# Altium PCB JLC.PcbDoc
Units mil, origin at the board's own origin, x right, y up, seen from the top; angles counter-clockwise.
Board outline 3252.76 x 4711.02 mil, 2 copper layers (Top Layer, Bottom Layer); 38 components, 24 nets, 158 pads, 0 vias.
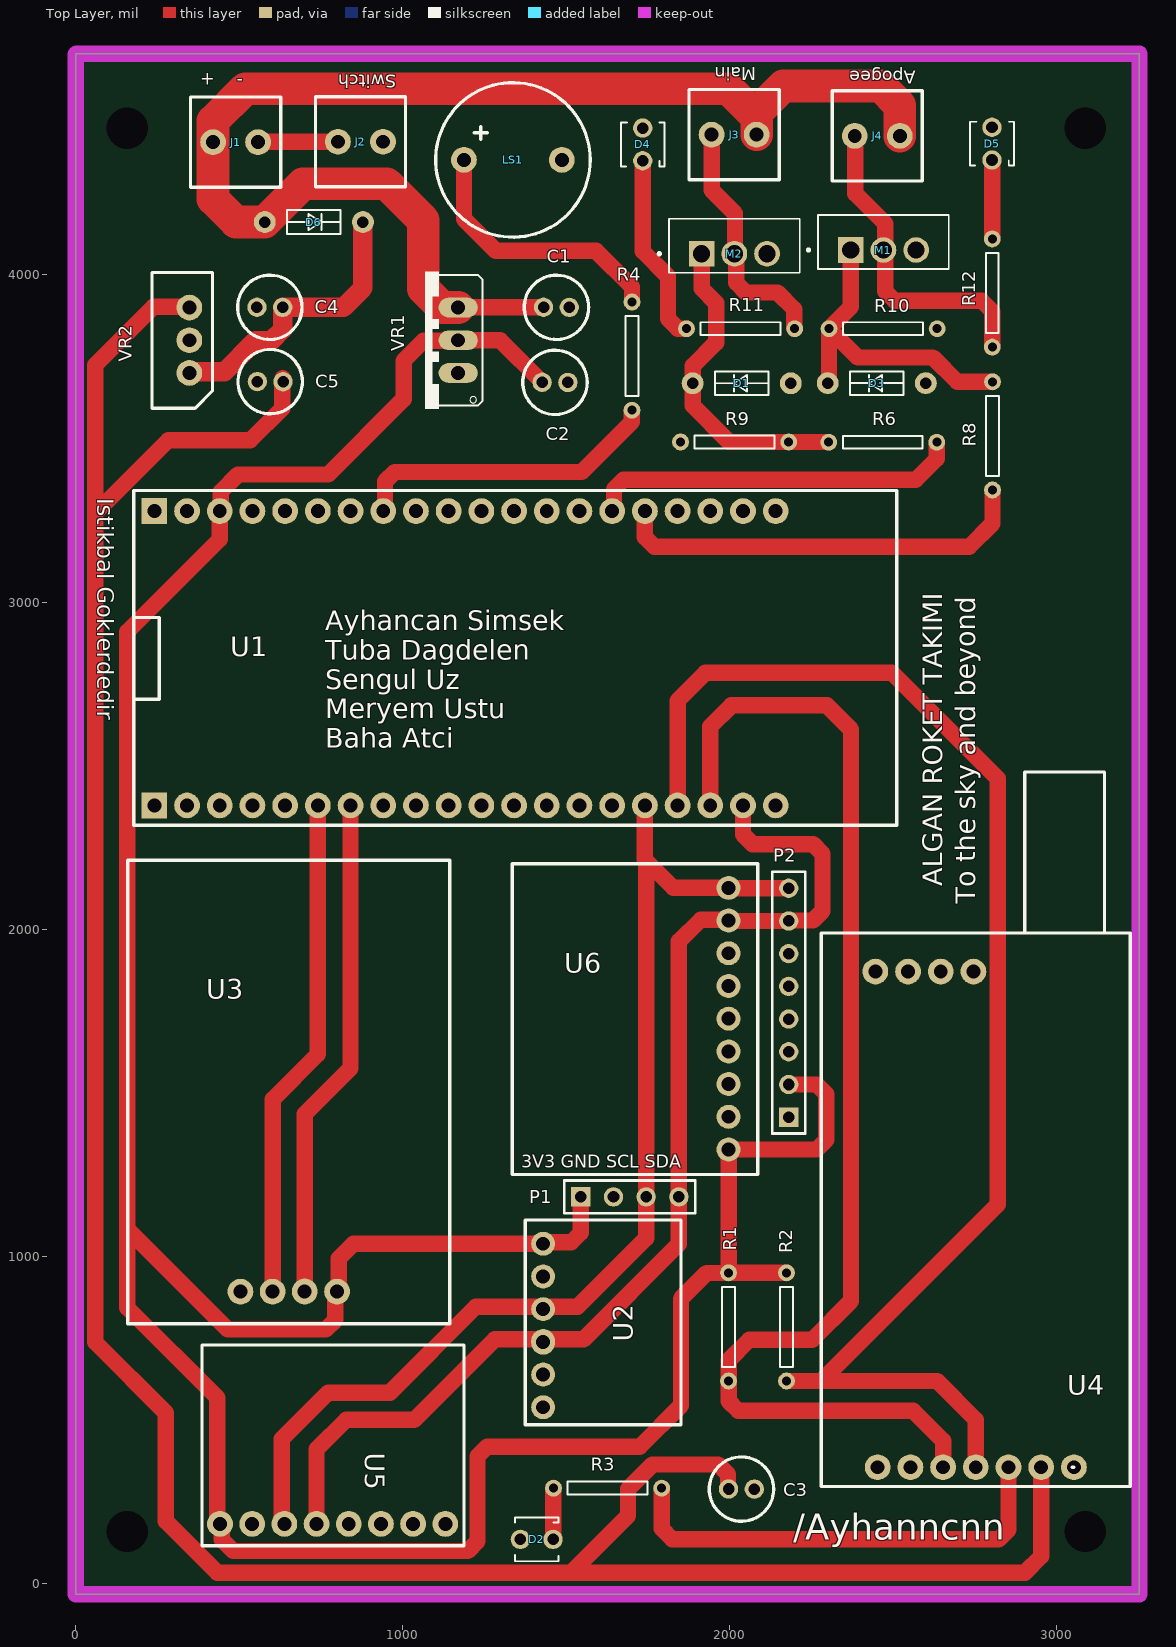
[diagram p0: Top Layer view]
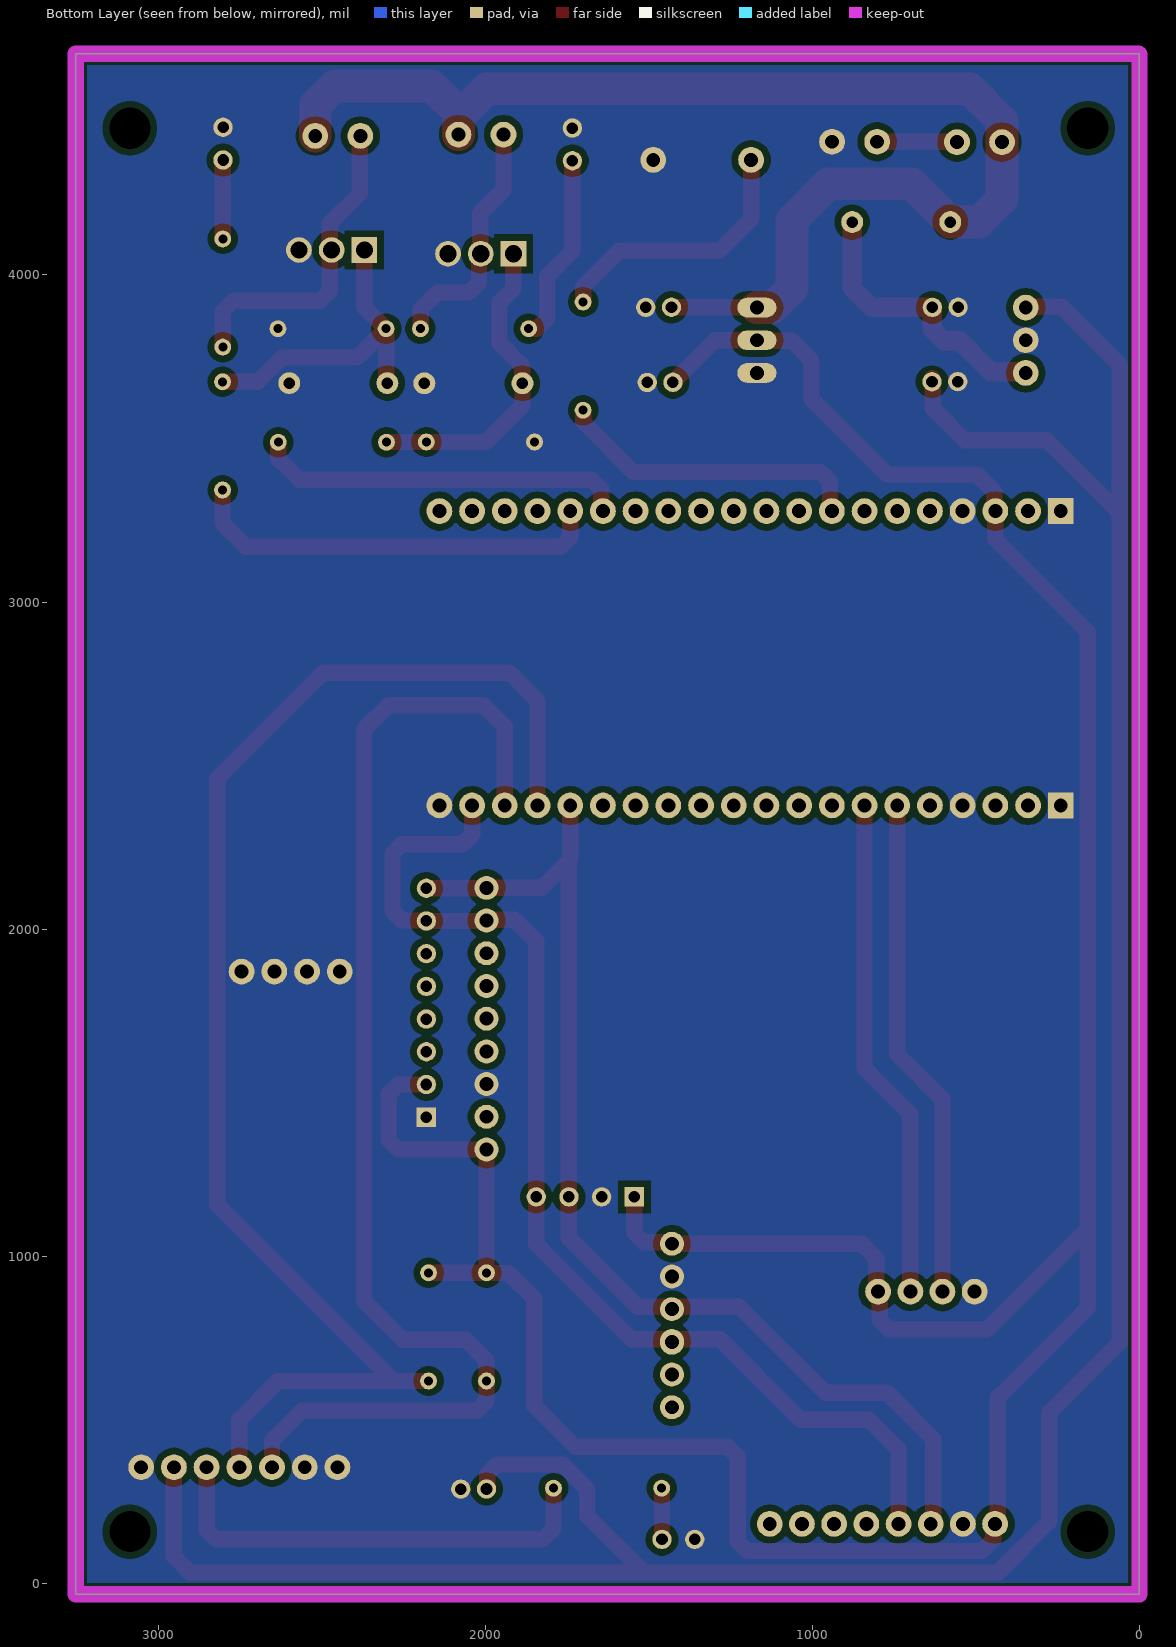
[diagram p1: Bottom Layer view, seen from below]
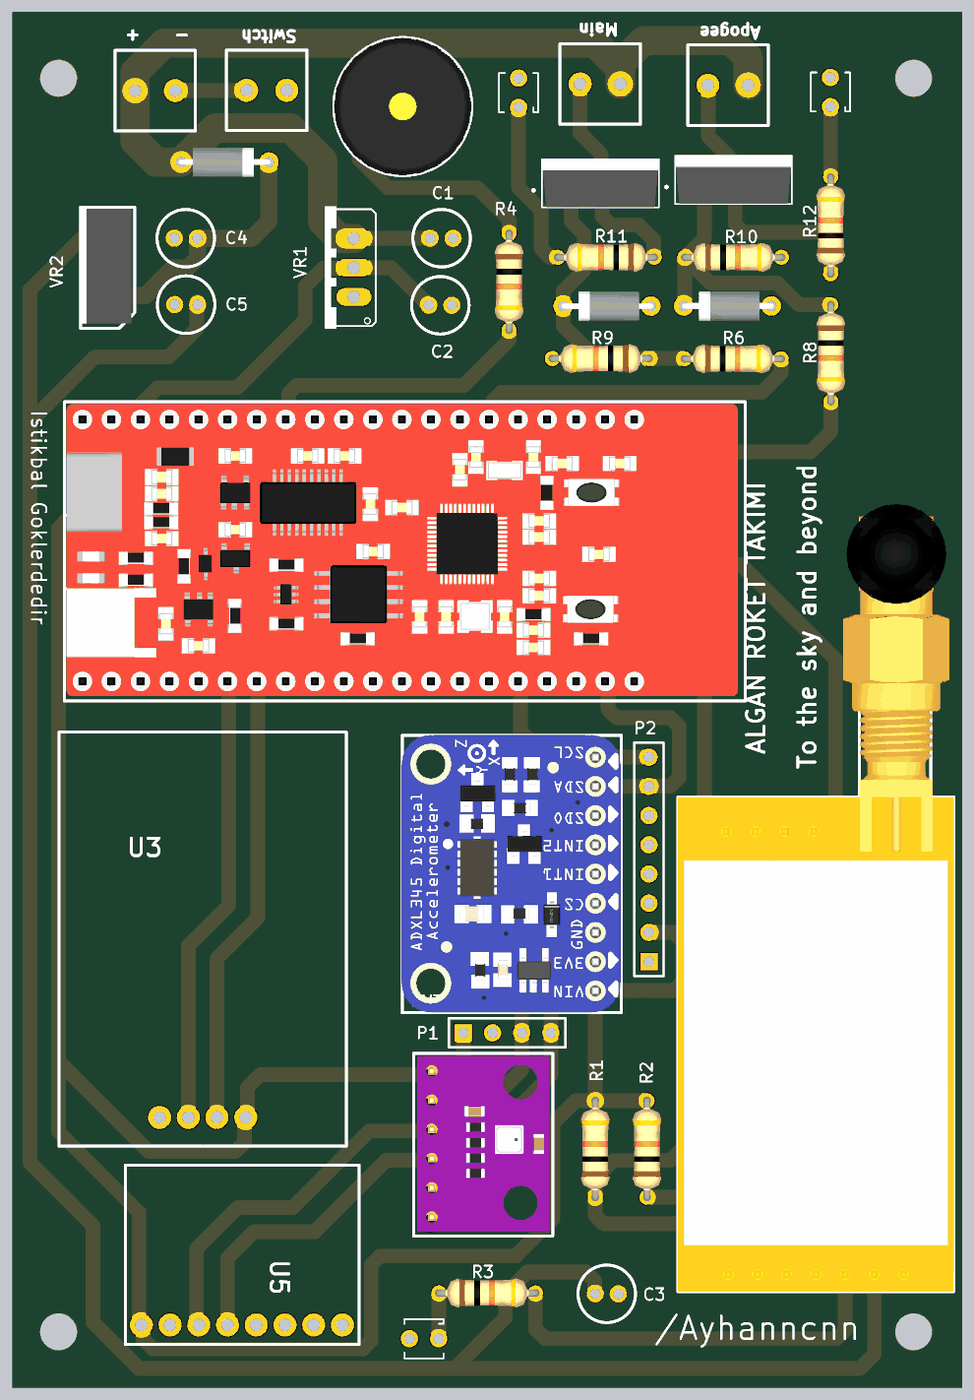
[diagram p2: 3D render of the assembled board from above, using the file's embedded part models]

## Layer stack, top to bottom
Top Solder: solder mask 0.4, Solder Resist, Dk 3.5
Top Layer: signal copper 1.4
Dielectric 1: dielectric 12.6, FR-4, Dk 4.8
Bottom Layer: signal copper 1.4
Bottom Solder: solder mask 0.4, Solder Resist, Dk 3.5

## Board outline
-0.39,-34.25 -0.39,4674.8 1.57,4676.77 3251.97,4676.77 3252.36,4676.38 3252.36,-34.25

## Design rules (kind name [scope] priority, off if disabled: settings)
AssemblyTestpoint AssemblyTestpoint_1 [All] p1: testpointundercomponent=TRUE minsize=40 maxsize=100 preferedsize=60 minholesize=0 maxholesize=40 preferedholesize=32 testpointgrid=1 usegrid=TRUE gridtolerance=0.01 allowsidetop=TRUE allowsidebottom=TRUE
Clearance [All] p1: gap=10 ignorepadtopadclearanceinfootprint=FALSE except(5.91: Arc-Text Track-Text SMDPad-Text THPad-Text Via-Text Fill-Text Poly-Text Region-Text Text-Text; 20: THPad-Poly)
Height [All] p1: minheight=0 maxheight=99999 prefheight=500
HoleSize [All] p1: absolutevalues=TRUE maxlimit=137.8 minlimit=1 maxpercent=80.000 minpercent=20.000
PlaneClearance [All] p1: clearance=40
PolygonConnect [All] p1: connectstyle=Direct reliefconductorwidth=20 reliefentries=4 polygonreliefangle="90 Angle" airgapwidth=20
RoutingVias [All] p1: holewidth=196.85 width=39.37 viastyle="Through Hole" minholewidth=196.85 minwidth=39.37 maxholewidth=196.85 maxwidth=39.37
SolderMaskExpansion [All] p1: expansion=4 istentingtop=FALSE
Width [All] p1: maxlimit=100 minlimit=10 preferedwidth=50 minimp=50.000000 maximp=50.000000 favimp=50.000000
26 further rules are at their usual default settings.

## Components (designator, comment, footprint, x,y, rotation, side; value= is the part's Value field where it differs from the comment)
C1 "100nF" CAPACITOR 1469.68,3901.18 r0 top
C2 "10µF" CAPACITOR 1465.35,3671.65 r0 top
C3 "1µF" CAPACITOR 2035.43,287.63 r0 top
C4 "330nF" CAPACITOR 593.31,3901.18 r180 top
C5 "100nF" CAPACITOR 594.49,3673.85 r180 top
D1 "Zener" ZENER 2036.22,3668.9 r0 top
D2 "led" LED 1409.45,133.86 r0 top
D3 "Zener" ZENER 2449.21,3669.29 r0 top
D4 "Led" LED 1733.46,4399.21 r270 top
D5 "Led" LED 2801.57,4401.57 r270 top
D6 "e" ZENER 727.95,4161.81 r180 top
J1 "Klemens" KLEMENS 488.58,4406.3 r0 top
J2 "Klemens" KLEMENS 870.47,4407.48 r0 top
J3 "Klemens" KLEMENS 2012.99,4429.13 r180 top
J4 "Klemens" KLEMENS 2450.79,4425.2 r180 top
LS1 "Buzzer" BUZZER 1336.61,4351.97 r90 top
M1 "IRFZ44NPB" MOSFET 2469.68,4076.38 r0 top
M2 "IRFZ44NPB" MOSFET 2013.78,4064.96 r0 top
P1 "Header 4" HDR1X4 1544.09,1181.1 r0 top
P2 "Header 8" HDR1X8 2179.92,1424.8 r90 top
R1 "4.7kΩ" RESISTOR 1996.06,783.46 r90 top
R2 "4.7kΩ" RESISTOR 2173.23,783.46 r90 top
R3 "330Ω" RESISTOR 1625.98,290.55 r0 top
R4 "Resistor" RESISTOR 1700.79,3751.97 r270 top
R6 "10" RESISTOR 2467.32,3488.58 r0 top
R8 "10" RESISTOR 2803.15,3507.87 r270 top
R9 "10k" RESISTOR 2014.57,3489.37 r180 top
R10 "10k" RESISTOR 2468.5,3835.83 r0 top
R11 "4.7K" RESISTOR 2032.68,3835.83 r180 top
R12 "4.7K" RESISTOR 2802.36,3944.88 r90 top
U1 "ESP32 Thing" "ESP32 THING" 240.16,3277.95 r270 top
U2 "BMP80" BMP280 1429.13,787.8 r90 top
U3 "NEO7M" NEO6MV2 651.18,891.56 r180 top
U4 "LORA E32" LORAE32 2751.97,354.33 r180 top
U5 "MPU6050" MPU6050 785.43,181.1 r90 top
U6 "ADXL345" ADXL345 1996.06,1725.98 r90 top
VR1 "LD1117" LD1117 1169.29,3800.39 r90 top
VR2 "LM7805" LM7805 343.86,3800.57 r90 top

## Footprints (in the part's own frame and the unit in brackets; to place one, negate y for a bottom-side part, rotate by r counter-clockwise, add the part's x,y. Pads: shape width x height; smd on the part's side, far side on the other; paste and mask are expansions set on the pad)
ADXL345 [mm]
  round 1.86 hole 1.08: 0(-10.16,0) 1(-7.62,0) 2(0,0) 3(2.54,0) 4(10.16,0) 5(7.62,0) 6(-2.54,0) 7(-5.08,0) 8(5.08,0)
  silkscreen extent -12.1,-2.27 12.03,16.8, body extent -12.07,-2.2 12.06,16.85, height 3.12
BMP280 [mm]
  round 1.86 hole 1.08: 1(6.35,0) 2(3.81,0) 3(1.27,0) 5(-3.81,0) 6(-6.35,0)
  oval 2x1.86 hole 1.08: 4(-1.27,0)
  silkscreen extent -7.7,-10.7 8.2,1.4, body extent -7.4,-10.4 7.94,1.1, height 2.6
BUZZER [mm]
  round 2 hole 1.08 mask+0.05: 1(0,3.8) 2(0,-3.8)
  silkscreen extent -6,-6 6,6, body extent -6,-6 6,6, height 9.5
CAPACITOR [mm]
  round 1.5 hole 0.9 mask+0.05: 1(-1,0.004) 2(1,-0.004)
  silkscreen extent -2.5,-2.5 2.5,2.5, body extent -2.58,-2.58 2.58,2.57, height 11.45
"ESP32 THING" [mm]
  round 2 hole 1.08 mask+0.05: 0(22.86,20.32) 2(22.86,22.86) 3V3_1(0,10.16) 3V3_2(22.86,10.16) 4(22.86,17.78) 5(22.86,27.94) 12(0,17.78) 13(0,15.24) 14(0,20.32) 15(22.86,25.4) 16(22.86,12.7) 17(22.86,15.24) 18(22.86,30.48) 19(22.86,35.56) 21(22.86,45.72) 22(22.86,38.1) 23(22.86,33.02) 25(0,27.94) 26(0,25.4) 27(0,22.86) 32(0,38.1) 33(0,35.56) 34(0,33.02) 35(0,30.48) 36(0,48.26) 37(0,45.72) 38(0,43.18) 39(0,40.64) GND_2(0,7.62) GND_4(22.86,7.62) GND_5(22.86,48.26) RST(0,12.7) RX(22.86,40.64) TX(22.86,43.18) VBAT_1(0,5.08) VBAT_2(22.86,5.08) VUSB_1(0,2.54) VUSB_2(22.86,2.54)
  rect 2x2 hole 1.08 mask+0.05: GND_1(0,0) GND_3(22.86,0)
  silkscreen extent -1.6,-1.6 24.4,57.66, body extent -1.4,-1.4 24,57, height 5.7
HDR1X4 [mm] "Connector; Header; 4 Position"
  rect 1.5x1.5 hole 0.9: 1(0,0)
  round 1.5 hole 0.9: 2(2.54,0) 3(5.08,0) 4(7.62,0)
  silkscreen extent -1.27,-1.27 8.89,1.27
HDR1X8 [mm] "Connector; Header; 8 Position"
  rect 1.5x1.5 hole 0.9: 1(0,0)
  round 1.5 hole 0.9: 2(2.54,0) 3(5.08,0) 4(7.62,0) 5(10.16,0) 6(12.7,0) 7(15.24,0) 8(17.78,0)
  silkscreen extent -1.27,-1.27 19.05,1.27
KLEMENS [mm]
  round 2 hole 1.08: 0(-1.75,0) 1(1.75,0)
  silkscreen extent -3.5,-3.5 3.5,3.5, body extent -3.5,-3.4 3.5,3.4, height 8.4
LD1117 [mil]
  oval 60x120 hole 42.52: 1(100,0) 2(0,0) 3(-100,0)
  silkscreen extent -210,-75 210,100, body extent -195,-67 199,63, height 669
LED [mm]
  round 1.5 hole 0.9: 1(-1.27,0) 2(1.27,0)
  silkscreen extent -1.7,-1.7 1.7,1.7, body extent -1.7,-1.7 1.7,1.7, height 5.35
LM7805 [mm]
  round 2 hole 1.08: 1(-2.544,-0.086) 2(-0.004,-0.086) 3(2.536,-0.086)
  silkscreen extent -5.27,-1.89 5.27,2.81, body extent -4.86,-1.61 5.11,2.84, height 15.75
LORAE32 [mm]
  round 2 hole 1.08: 1(-7.62,0) 2(-5.08,0) 3(-2.54,0) 4(0,0) 5(2.54,0) 6(5.08,0) 7(0.18,-38.5) 7(2.72,-38.5) 7(5.26,-38.5) 7(7.62,0) 7(7.8,-38.5)
  silkscreen extent -12,-54 12,1.5, body extent -12,-67 12,1.5, height 90.99
MOSFET [mm]
  rect 1.995x1.995 hole 1.33: 1(-2.54,0)
  round 1.995 hole 1.33: 2(0,0) 3(2.54,0)
  silkscreen extent -5.93,-1.48 5.08,2.72, body extent -5.08,-1.47 5.08,2.72, height 22.86
MPU6050 [mm]
  round 2 hole 1.08: 1(0,8.75) 2(0,6.25) 3(0,3.75) 4(0,1.25) 5(0,-1.25) 6(0,-3.75) 7(0,-6.25) 8(0,-8.75)
  silkscreen extent -1.7,-10.2 13.9,10.15, body extent -1.25,-10.11 14,10.21, height 3.27
NEO6MV2 [mm]
  round 2 hole 1.08: 1(-3.75,0.006) 2(-1.239,-0.006) 3(1.25,0.006) 4(3.75,0.006)
  silkscreen extent -12.5,-33.5 12.5,2.5, body extent -12.87,-33.47 13.33,1.93, height 3.77
RESISTOR [mm]
  round 1.308 hole 0.7: 1(-4.2,0) 2(4.2,0)
  silkscreen extent -3.1,-0.5 3.1,0.5, body extent -4.55,-1.25 4.55,1.25, height 2.55
ZENER [mm]
  round 1.7 hole 0.9: 1(3.81,0) 2(-3.81,0)
  silkscreen extent -2.08,-0.92 2.08,0.92, body extent -4.03,-1.26 4.11,1.27, height 2.57

## Part data
C1 C2 C3 C4 C5: library part DCapacitor
D2: library part Led
D6: library part Diode
P1: "Header, 4-Pin", LatestRevisionDate=17-Jul-2002, LatestRevisionNote="Re-released for DXP Platform.", Publisher="Altium Limited"
P2: "Header, 8-Pin", LatestRevisionDate=17-Jul-2002, LatestRevisionNote="Re-released for DXP Platform.", Publisher="Altium Limited"
R1 R2 R3 R6 R8 R9 R10 R11 R12: library part Resistor
U1: "ESP32 802.11 Wireless LAN/Combo Wireless Module Development Kit", Frequency=2.4GHz, Manufacturer=SparkFun, Manufacturer Part Number=DEV-13907, Supplier Part Number 1=1568-1444-ND, Category="RF Semiconductors and Devices", ComponentLink1Description=https://github.com/sparkfun/ESP32_Thing?src-supplier=Digi-Key, ComponentLink1URL=https://github.com/sparkfun/ESP32_Thing?src-supplier=Digi-Key, Pricing 1="1=23,50000 (USD)", RoHS=No, Stock 1=568, Supplier 1=Digi-Key
U2: "Washer; #2 Screw Clr; 3/32 ID; 1/4 OD; 1/32 Height; Nylon", Case/Package=SMD/SMT, Manufacturer=Bosch, Manufacturer Part Number=BMP280, Max Operating Temperature=85°C, Min Operating Temperature=-40°C, Operating Pressure=15.95PSI, Package Quantity=1, Category="Pressure Sensors", ComponentLink1Description=https://ae-bst.resource.bosch.com/media/_tech/media/datasheets/BST-BMP280-DS001.pdf?src-supplier=Digi-Key, ComponentLink1URL=https://ae-bst.resource.bosch.com/media/_tech/media/datasheets/BST-BMP280-DS001.pdf?src-supplier=Digi-Key, ComponentLink2Description=http://www.mouser.com/ds/2/737/adafruit-bme280-humidity-barometric-pressure-tempe-740823.pdf?src-supplier=Mouser, ComponentLink2URL=http://www.mouser.com/ds/2/737/adafruit-bme280-humidity-barometric-pressure-tempe-740823.pdf?src-supplier=Mouser, ComponentLink3Description=https://learn.adafruit.com/downloads/pdf/adafruit-bme280-humidity-barometric-pressure-temperature-sensor-breakout.pdf?src-supplier=Digi-Key, ComponentLink3URL=https://learn.adafruit.com/downloads/pdf/adafruit-bme280-humidity-barometric-pressure-temperature-sensor-breakout.pdf?src-supplier=Digi-Key, Evaluation Kit=Yes, Lead Free="Lead Free", Max Pressure=290.08PSI, Number of Pins=8, Output Type=SPI,I2C, Port Style="No Port", Pressure Type=Absolute, Pricing 2="1=14,95000, 10=14,95000, 50=14,95000, 100=14,95000, 1000=14,95000, 10000=14,95000 (USD)", RoHS=No, Sensor Type=Temperature, Stock 2=658, Supplier 1="Future Electronics", Supplier 2=Mouser, Supplier Part Number 1=BMP280, Supplier Part Number 2=485-2652, Termination=SMD/SMT, Interface=I2C,SPI
U3: library part NEO6MV2, "U#NEO-6M Gps Module U-BLOX6 SMD24P", Manufacturer=u-blox, Manufacturer Part Number=NEO-6M-0, Supplier Part Number 1=377-NEO-6M-0, Pricing 1="1=60,00000, 10=41,87000, 50=27,23000, 100=17,72000, 1000=17,72000, 10000=17,72000 (USD)", RoHS=Yes, RoHS Compliant=Yes, Stock 1=236, Supplier 1=Mouser
U4: "WiFi-Modul 802.11/BT 2, 4-2, 5GHz 150Mb/s", Manufacturer="Espressif Systems", Manufacturer Part Number=ESP32-S3-WROOM-1-N16R8, Supplier Part Number 1=1965-ESP32-S3-WROOM-1-N16R8CT-ND, Category=Uncategorized, Pricing 1="1=4,29000 (USD)", RoHS=No, Stock 1=327, Supplier 1=Digi-Key
U5: "IMU ACCEL/GYRO 3-AXIS I2C 24QFN", Case/Package=QFN, Manufacturer="TDK InvenSense", Manufacturer Part Number=MPU-6050, Max Operating Temperature=85°C, Min Operating Temperature=-40°C, Supplier Part Number 1=1428-1007-1-ND, Category="Inertial Measurement Units (IMUs)", ComponentLink1Description=https://datasheet.ciiva.com/1513/1788002-1513632.pdf?src-supplier=Element14, ComponentLink1URL=https://datasheet.ciiva.com/1513/1788002-1513632.pdf?src-supplier=Element14, ComponentLink2Description=https://datasheet.ciiva.com/22731/1788002-22731434.pdf?src-supplier=Element14, ComponentLink2URL=https://datasheet.ciiva.com/22731/1788002-22731434.pdf?src-supplier=Element14, Mount="Surface Mount", Output Type=I2C, Packaging="Tape and Reel", Pricing 1="1=9,11000, 5=7,99200, 10=7,19300, 25=6,39400, 50=5,91440, 100=5,11520, 500=4,79550, 1000=4,47580 (USD)", RoHS=Yes, RoHS Compliant=Yes, Sensor Type="Accelerometer,Gyroscope,3 Axis", Series=-, Supplier 1=Digi-Key
U6: "Accelerometer Triple ±2/±4/±8/±16g 2V to 3.6V 14-Pin LGA T/R", Case/Package=LGA, Manufacturer="Analog Devices", Manufacturer Part Number=ADXL345TCCZ-EP-RL7, Max Operating Temperature=85°C, Max Supply Voltage=3.6V, Min Operating Temperature=-40°C, Min Supply Voltage=2V, Nominal Supply Current=140uA, Operating Supply Current=145uA, Package Quantity=1500, -3db Bandwidth=1.6kHz, Axis="X, Y, Z", Bandwidth=0.05Hz, Category=Accelerometers, ComponentLink1Description=https://datasheet.ciiva.com/3275/adxl345-ep-3275833.pdf?src-supplier=Avnet, ComponentLink1URL=https://datasheet.ciiva.com/3275/adxl345-ep-3275833.pdf?src-supplier=Avnet, Contact Plating=Tin,Matte, Lead Free="Contains Lead", Number of Pins=14, Output Type=Digital, Packaging="Tape and Reel", Pricing 1="1=27,95650, 10=25,23100, 25=24,01200, 100=21,50500, 250=20,60800, 500=19,03250, 1000=17,99750 (USD)", RoHS=Yes, Sensitivity=256LSB/g, Stock 1=2453, Supplier 1="Arrow Electronics", Supplier Part Number 1=ADXL345TCCZ-EP-RL7, Interface=I2C,SPI
VR1: "LDO Regulator Pos 3.3V 1.3A 3-Pin(3+Tab) TO-220 Tube (Alt: LD1117V33C)", Case/Package=TO, Dropout Voltage=1.1V, Manufacturer=STMicroelectronics, Manufacturer Part Number=LD1117V33C, Max Operating Temperature=125°C, Max Output Current=1.3A, Max Power Dissipation=12W, Max Input Voltage=15V, Min Operating Temperature=-40°C, Min Output Voltage=3.3V, Output Current=800mA, Output Voltage Accuracy=1%, Package Quantity=50, Quiescent Current=10mA, Supplier Part Number 1=497-1492-5-ND, Input Bias Current=5mA, Accuracy=1%, Category="Voltage Regulators - Linear", ComponentLink1Description=https://datasheet.ciiva.com/1511/1776449-1511580.pdf?src-supplier=Element14, ComponentLink1URL=https://datasheet.ciiva.com/1511/1776449-1511580.pdf?src-supplier=Element14, ComponentLink2Description=https://datasheet.ciiva.com/16226/cd00000544-16226333.pdf?src-supplier=Future+Electronics, ComponentLink2URL=https://datasheet.ciiva.com/16226/cd00000544-16226333.pdf?src-supplier=Future+Electronics, ComponentLink3Description=https://datasheet.ciiva.com/2044/cd00000544-2044110.pdf?src-supplier=Digi-Key, ComponentLink3URL=https://datasheet.ciiva.com/2044/cd00000544-2044110.pdf?src-supplier=Digi-Key, Height=9.15mm, Lead Free="Lead Free", Length=10.4mm, Mount="Through Hole", Nominal Output Voltage=3.3V, Number of Outputs=1, Number of Pins=3, Number of Regulators=1, Output Type=Fixed, Output Voltage=3.3V, Packaging=Rail/Tube, Polarity=Positive, Power Dissipation=12W, Pricing 1="1=0,84000, 10=0,74000, 25=0,69520, 100=0,56750, 250=0,52708, 500=0,44860, 1000=0,37030 (USD)", Radiation Hardening=No, REACH SVHC="No SVHC", RoHS=Yes, RoHS Compliant=Yes, Series=-, Stock 1=30, Supplier 1=Digi-Key, Weight=0.02lb, Width=4.6mm
VR2: "LM78XX Series 5 V Fixed Output 1 A 3-Terminal LDO Voltage Regulator - TO-220", Case/Package=TO-220-3, Current Rating=1A, Dropout Voltage=2V, Manufacturer="ON Semiconductor / Fairchild", Manufacturer Part Number=LM7805CT, Max Operating Temperature=125°C, Max Output Voltage=5.2V, Max Input Voltage=35V, Min Operating Temperature=-40°C, Min Output Voltage=5V, Min Input Voltage=7V, Output Voltage Accuracy=4%, Package Quantity=50, Power Supply Rejection Ratio (PSRR)=73dB, Quiescent Current=8mA, Supplier Part Number 1=LM7805CT-ND, Accuracy=4%, Category="Voltage Regulators - Linear", ComponentLink1Description=https://datasheet.ciiva.com/19456/786138-19456361.pdf?src-supplier=Jameco, ComponentLink1URL=https://datasheet.ciiva.com/19456/786138-19456361.pdf?src-supplier=Jameco, ComponentLink2Description=https://datasheet.ciiva.com/1512/1855686-1512105.pdf?src-supplier=Element14, ComponentLink2URL=https://datasheet.ciiva.com/1512/1855686-1512105.pdf?src-supplier=Element14, ComponentLink3Description=https://datasheet.ciiva.com/1512/1855686-1512106.pdf?src-supplier=Element14, ComponentLink3URL=https://datasheet.ciiva.com/1512/1855686-1512106.pdf?src-supplier=Element14, ComponentLink4Description=https://datasheet.ciiva.com/1511/1855686-1511835.pdf?src-supplier=Element14, ComponentLink4URL=https://datasheet.ciiva.com/1511/1855686-1511835.pdf?src-supplier=Element14, ComponentLink5Description=https://datasheet.ciiva.com/8239/lm7812-8239478.pdf?src-supplier=Avnet, ComponentLink5URL=https://datasheet.ciiva.com/8239/lm7812-8239478.pdf?src-supplier=Avnet, ComponentLink6Description=https://datasheet.ciiva.com/17332/lm7805-17332792.pdf?src-supplier=Future+Electronics, ComponentLink6URL=https://datasheet.ciiva.com/17332/lm7805-17332792.pdf?src-supplier=Future+Electronics, ComponentLink7Description=https://datasheet.ciiva.com/2039/lm7805-2039365.pdf?src-supplier=Digi-Key, ComponentLink7URL=https://datasheet.ciiva.com/2039/lm7805-2039365.pdf?src-supplier=Digi-Key, ComponentLink8Description=https://datasheet.ciiva.com/48694/001253095-da-01-en-ic-reg-ldo-5v-1a-lm7805ct-to-220-3-fsc-48694790.pdf?src-supplier=Conrad, ComponentLink8URL=https://datasheet.ciiva.com/48694/001253095-da-01-en-ic-reg-ldo-5v-1a-lm7805ct-to-220-3-fsc-48694790.pdf?src-supplier=Conrad, Height=16.3mm, Lead Free="Lead Free", Length=10.67mm, Max Output Current=1A, Mount="Through Hole", Nominal Output Voltage=5V, Number of Outputs=1, Number of Pins=3, Number of Regulators=1, Output Current=1A, Output Type=Fixed, Output Voltage=5V, Packaging=Rail/Tube, Polarity=Positive, Radiation Hardening=No, REACH SVHC="No SVHC", RoHS=Yes, RoHS Compliant=Yes, Supplier 1=Digi-Key, Weight=1.214g, Width=4.7mm

## Free pads (board coordinates)
  round 39.37 hole 125.98: 17(157.48,157.48) 17(157.48,4448.82) 17(3086.61,157.48)
  oval 39.37x118.11 hole 125.98: 17(3086.61,4448.82)

## Nets (pads, with @x,y where several pads share a name; then routed paths per layer and width w, separated by ;. In a path a pad name is that pad's centre, name@x,y a point inside that pad or via, vN(x,y) a via of type N, cw(c..) or ccw(c..) an arc to the next point about the centre after c; other vN are vias at no path point)
3V3: C2.1 P1.1 P2.2 R1.2 R2.2 U1.VBAT_1 U2.1 U3.1 U5.1 U6.0 VR1.2 | length 9981.2
  Top Layer w50: C2.1 1297.41,3800.39 VR1.2 1167.38,3798.48 1063.05,3798.48 1002.36,3737.8 1002.36,3620.47 771.65,3389.76 496.06,3389.76 443.08,3336.78 443.08,3280.87 U1.VBAT_1 440.16,3192.13 157.48,2909.45 157.48,1082.68 ; P1.1 1544.09,1071.53 1514.81,1042.24 1433.58,1042.24 U2.1 849.21,1037.8 804.32,992.9 804.32,896.84 U3.1 793.86,886.38 793.86,804.88 764.57,775.59 464.57,775.59 157.48,1082.68 ; R2.2 R1.2 ; P2.2 2265.59,1524.8 2294.88,1495.51 2294.88,1355.27 2265.59,1325.98 U6.0 R1.2 ; 157.48,1082.68 157.48,842.52 433.07,566.93 433.07,189.07 446.44,175.7 446.44,133.33 481.35,98.43 1199.06,98.43 1228.35,127.71 1228.35,388.03 1257.64,417.32 1724.41,417.32 1850.39,543.31 1850.39,870.08 1928.85,948.53 1995.78,948.53 R1.2
5V: C3.1 C5.1 U4.2 VR2.3 | length 8541.7
  Top Layer w50: VR2.3 345.28,3902.36 237.01,3902.36 59.61,3724.96 59.61,3271.37 ; C5.1@632.84,3684.45 632.84,3673.22 631.1,3671.48 631.1,3591.73 533.86,3494.49 282.73,3494.49 59.61,3271.37 ; C3.1 1994.33,289.53 1994.33,332.73 1964.46,362.6 1763.39,362.6 1688.58,287.8 1688.58,206.3 1514.57,32.28 ; U4.2 2951.97,81.84 2902.41,32.28 1514.57,32.28 ; 59.61,3271.37 59.61,736.51 275.59,520.52 275.59,188.98 432.28,32.28 1514.57,32.28
7V4: C1.1 D6.1 J1.0 J3.0 J4.0 VR1.1 | length 4002.4
  Top Layer w50: VR1.1 1169.77,3900.87 1429.84,3900.87 C1.1
  Top Layer w100: VR1.1 1120.78,3900.39 1062.2,3958.97 1062.2,4167.72 951.18,4278.74 694.88,4278.74 D6.1 490.16,4161.81 419.69,4232.28 J1.0 419.69,4470.87 518.27,4569.45 1995.51,4569.45 2081.89,4483.07 ; J3.0 2081.89,4483.07 ; J4.0 2519.68,4519.37 2461.11,4577.95 2163.35,4577.95 2081.89,4496.5 2081.89,4483.07
buzzer: R4.2 U1.12 | length 959
  Top Layer w50: U1.12 945.66,3283.45 945.66,3368.35 974.95,3397.64 1547.24,3397.64 1700.5,3550.89 1700.5,3586.33 R4.2
FDG: J3.1 M2.2 R11.1 | length 725.3
  Top Layer w50: J3.1 1944.09,4259.64 2015.75,4187.98 M2.2@2015.75,4095.72 ; M2.2 2019.24,4059.5 2019.24,3976.03 2048.82,3946.46 2145.67,3946.46 2196.85,3895.28 2196.85,3837.41 2198.03,3836.23 R11.1
FMG: J4.1 M1.2 R12.1 | length 975.7
  Top Layer w50: J4.1 2383.86,4423.23 2383.86,4248.43 2475.15,4157.14 2475.15,3950.16 2504.44,3920.87 2770.47,3920.87 2802.36,3888.98 R12.1
GA: R6.2 U1.33 | length 1145.2
  Top Layer w50: U1.33 1645.66,3283.45 1645.66,3344.73 1674.95,3374.02 2568.5,3374.02 2632.39,3437.9 2632.39,3488.3 R6.2
GND: C1.2 C2.2 C3.2 C4.2 C5.2 D1.1 D2.1 D3.1 D4.1 D5.1 J2.1 LS1.2 M1.3 M2.3 P1.2 P2.1 R9.2 R10.2 U1.GND_1 U1.GND_2 U1.GND_3 U1.GND_4 U1.GND_5 U2.2 U3.4 U4.1 U4.6 U4.7 U5.2 U6.7 VR1.3 VR2.2
GS: R8.2 U1.32 | length 1286.2
  Top Layer w50: U1.32 1740.16,3198.58 1769.45,3169.29 2732.28,3169.29 2803.15,3240.16 R8.2
NetC4_1: C4.1 D6.2 VR2.1 | length 879.1
  Top Layer w59.06: VR2.1 351.01,3704.16 454.5,3704.16 549.55,3799.21 598.08,3799.21 632.68,3833.81 C4.1 818.33,3901.01 877.95,3960.63 D6.2
NetD1_2: D1.2 M2.1 R6.1 R9.1 | length 974.3
  Top Layer w50: M2.1 1913.78,3958.46 1957.87,3914.37 1957.87,3793.31 1886.54,3721.97 1886.54,3669.22 D1.2 1886.22,3600.79 1997.64,3489.37 R9.1 2300.78,3489.37 2301.56,3488.58 R6.1
NetD2_2: D2.2 R3.1 | length 157.2
  Top Layer w50: D2.2 1459.45,288.97 1460.63,290.15 R3.1
NetD3_2: D3.2 M1.1 R8.1 R10.1 | length 1002.6
  Top Layer w50: D3.2@2298.82,3668.9 D3.2@2299.02,3669.09 ; D3.2@2302.95,3669.09 2302.95,3835.63 R10.1 ; M1.1 2369.68,3902.36 R10.1 ; R8.1 2695.25,3673.23 2620.84,3747.64 2391.34,3747.64 R10.1
NetD4_2: D4.2 R11.2 | length 584.2
  Top Layer w50: D4.2 1733.46,4072.79 1811.02,3995.23 1811.02,3865.86 1840.77,3836.11 1867.04,3836.11 R11.2
NetD5_2: D5.2 R12.2 | length 241.7
  Top Layer w50: D5.2 2802.17,4350.98 2802.17,4110.43 R12.2
NetJ1_1: J1.1 J2.0 | length 244.6
  Top Layer w50: J1.1 558.07,4406.89 800.98,4406.89 J2.0
NetLS1_1: LS1.1 R4.1 | length 826.9
  Top Layer w50: LS1.1 1187.01,4171.26 1284.65,4073.62 1590.95,4073.62 1700.79,3963.78 R4.1
NetR3_2: R3.2 U4.3 | length 1400.9
  Top Layer w50: R3.2 1791.34,166.93 1824.12,134.14 2822.68,134.14 2851.97,163.43 U4.3
RX: R1.1 U1.TX U4.5 | length 3837.9
  Top Layer w50: U1.TX 1940.16,2619.29 2004.72,2683.86 2296.85,2683.86 2370.51,2610.2 2370.51,862.64 2251.97,744.09 2059.06,744.09 1996.06,681.1 R1.1 1996.06,556.85 2025.35,527.56 2560.24,527.56 2651.97,435.83 U4.5
RXD: U1.17 U3.2 | length 1544.2
  Top Layer w50: U3.2 699.95,1434.6 840.16,1574.8 U1.17
SCL: P1.3 P2.8 U1.22 U2.3 U5.3 U6.4 | length 3411.9
  Top Layer w50: U5.3@629.92,196.85 629.92,440.94 771.65,582.68 960.63,582.68 1223.23,845.28 1429.13,845.28 1432.17,842.24 1450,842.24 1453.04,845.28 1534.25,845.28 1744.09,1055.12 P1.3 1744.09,2208.66 ; U1.22 1740.16,2212.6 1744.09,2208.66 ; P2.8@2181.1,2123.62 P2.8 1997.24,2124.8 U6.4 1826.77,2125.98 1744.09,2208.66
SDA: P1.4 P2.7 U1.21 U2.4 U5.4 U6.5 | length 3532.8
  Top Layer w50: U5.4 736.22,409.45 826.77,500 1035.43,500 1280.71,745.28 1429.13,745.28 1429.41,745 1455.52,745 1455.8,745.28 1552.36,745.28 1844.09,1037.01 P1.4 1844.09,1962.2 1910.63,2028.74 U6.5@1996.06,2028.74 ; U6.5 1997.24,2024.8 P2.7 ; U1.21 2040.16,2289.13 2069.45,2259.84 2254.18,2259.84 2283.46,2230.55 2283.46,2055.27 2254.18,2025.98 P2.7@2179.92,2025.98
TX: R2.1 U1.RX U4.4 | length 4307.7
  Top Layer w50: U1.RX 1840.16,2698.43 1925.2,2783.46 2496.06,2783.46 2819.25,2460.28 2819.25,1157.83 2279.53,618.11 ; R2.1 2279.53,618.11 ; U4.4 2751.97,500 2633.86,618.11 2279.53,618.11
TXD: U1.16 U3.3 | length 1543.9
  Top Layer w50: U3.3 601.97,1479.13 740.16,1617.32 U1.16
pads on no net: P2.3 P2.4 P2.5 P2.6 U1.0 U1.2 U1.3V3_1 U1.3V3_2 U1.4 U1.5 U1.13 U1.14 U1.15 U1.18 U1.19 U1.23 U1.25 U1.26 U1.27 U1.34 U1.35 U1.36 U1.37 U1.38 U1.39 U1.RST U1.VBAT_2 U1.VUSB_1 U1.VUSB_2 U2.5 U2.6 U5.5 U5.6 U5.7 U5.8 U6.1 U6.2 U6.3 U6.6 U6.8

## Polygon pours and split planes (outlines as drawn)
GND on Bottom Layer "GND_L02_P000" (solid, pour order 0): 0,4675.2 3251.97,4676.38 3251.97,0 0,0

## Keep-outs
Keep-Out Layer:
  lines w50: -0.39,4674.8 -0.39,4489.37 -0.39,-34.25 8.27,-34.25 847.34,-34.25 2405.02,-34.25 3252.36,-34.25 3252.36,4487.01 3252.36,4676.38 ; 1.57,4676.77 814.17,4676.77 2439.37,4676.77 3251.97,4676.77

## Silkscreen, mask and mechanical layers (free items; w line width, h text height)
Top Overlay:
  text "Main" at 2080.55,4635.67 h39.37 r180
  text "Apogee" at 2567.95,4624.52 h39.37 r180
  text "Switch" at 979.37,4612.44 h39.37 r180
  text "+    -" at 380.47,4581.26 h39.37
  text "Istikbal Goklerdedir" at 65.84,3316.83 h50 r270
  text "Ayhancan Simsek / Tuba Dagdelen / Sengul Uz / Meryem Ustu / Baha Atci" at 762.2,2553.94 h60
  text "ALGAN ROKET TAKIMI" at 2649.61,2131.5 h60 r90
  text "To the sky and beyond" at 2749.93,2078.11 h60 r90
  text "3V3 GND SCL SDA" at 1362.69,1270.57 h39.37
  text "/Ayhanncnn" at 2193.7,133.32 h78.74

## Text inside footprints (layer, text, board x,y; h text height)
VR1: Mechanical 13 "3" at 1219.31,3875.43 h50.02 r90; Mechanical 13 "2" at 1219.36,3775.36 h50.06 r90; Mechanical 13 "1" at 1219.32,3675.31 h50.03 r90